# Altium PCB NC1-2B-BASIS.PcbDoc
Units mm, origin at the board's own origin, x right, y up, seen from the top; angles counter-clockwise.
Board outline 100 x 100 mm, 2 copper layers (Top Layer, Bottom Layer), stack 1.57 mm thick; 57 components, 37 nets, 170 pads, 365 vias.
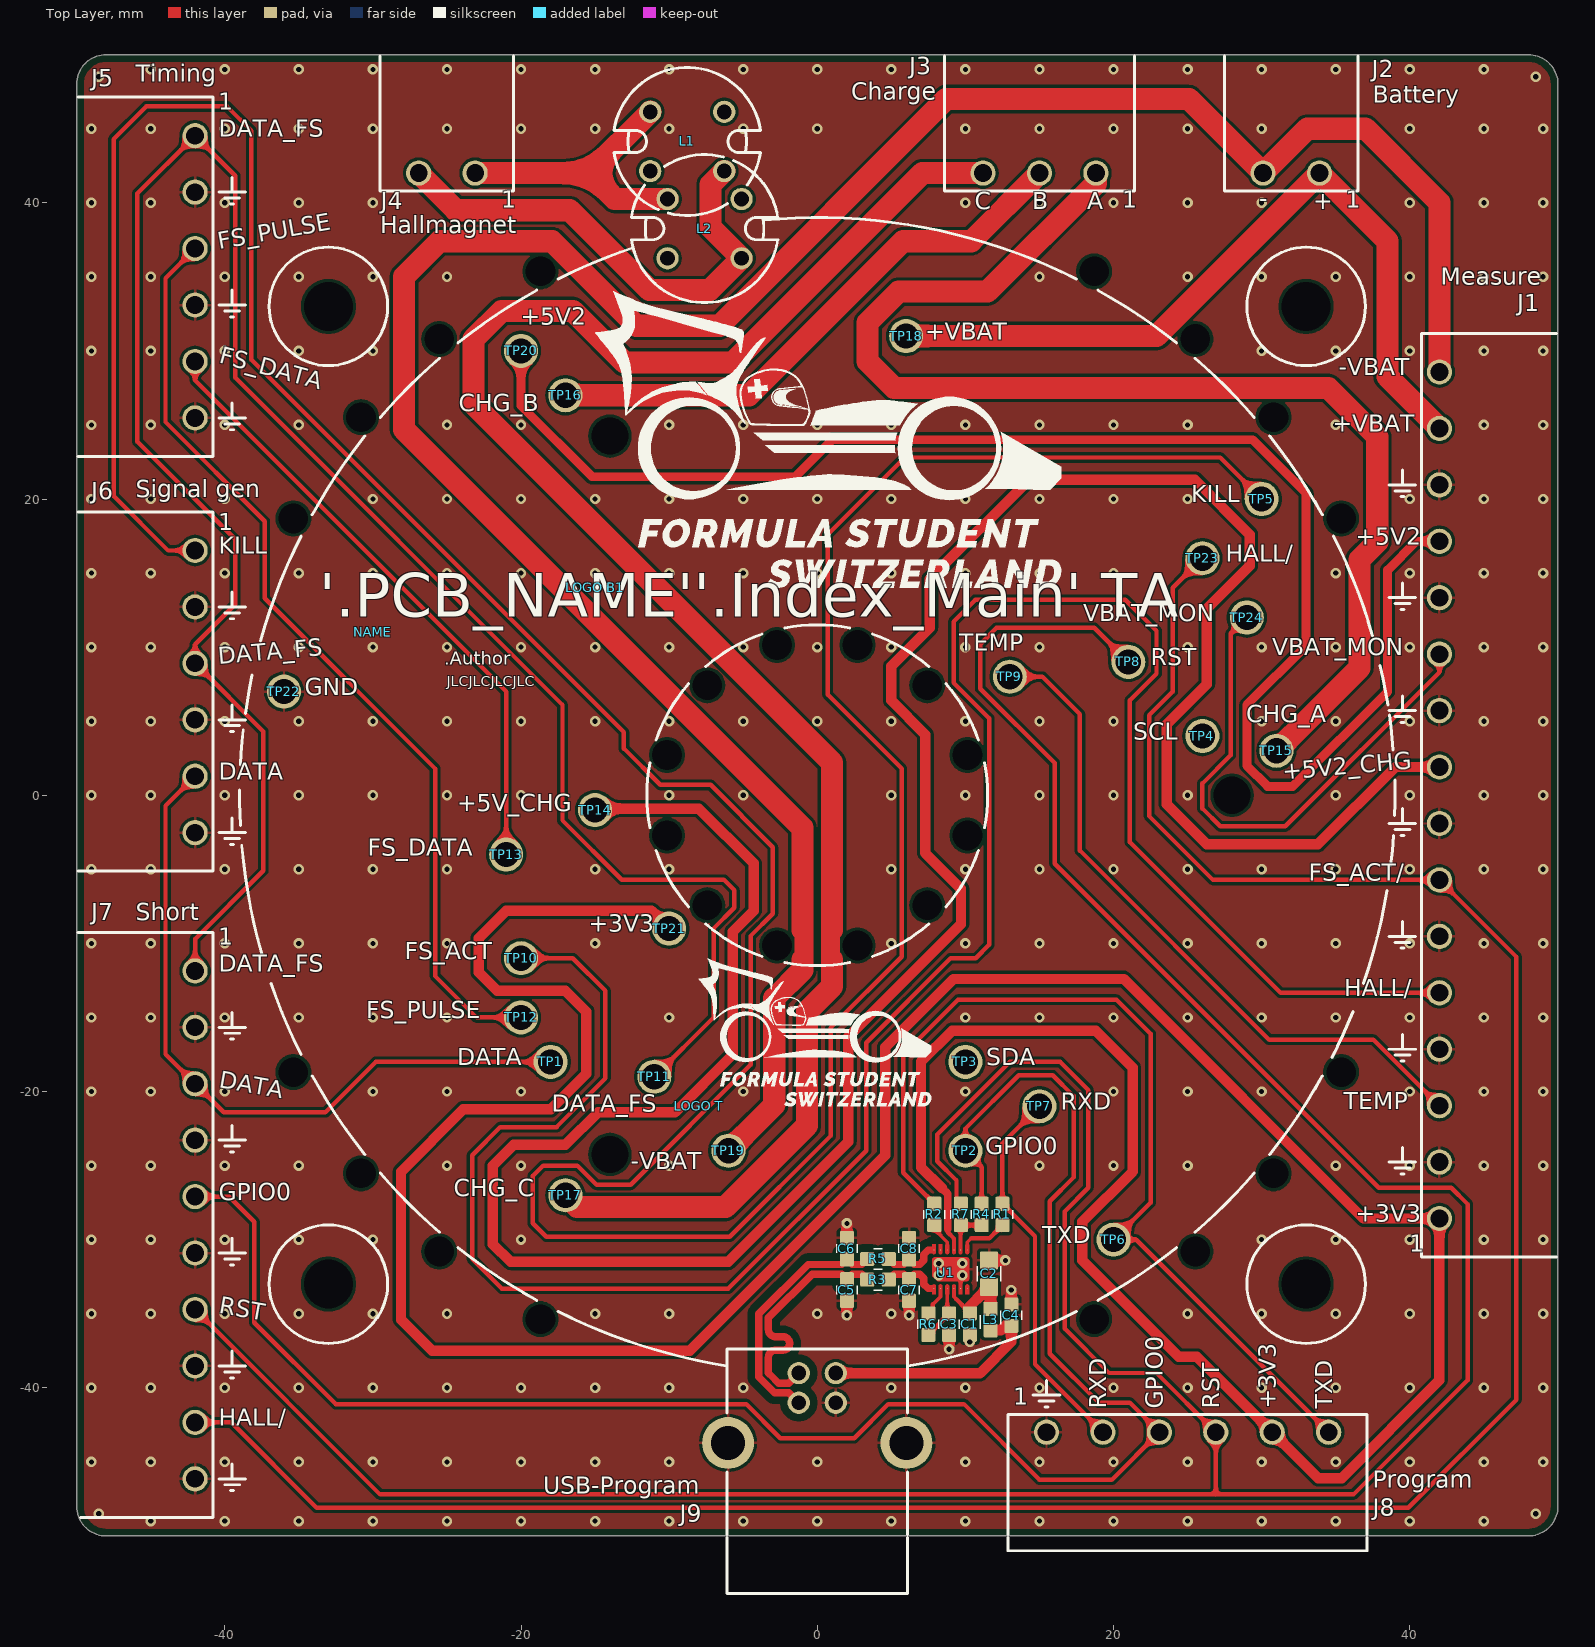
[diagram p0: Top Layer view]
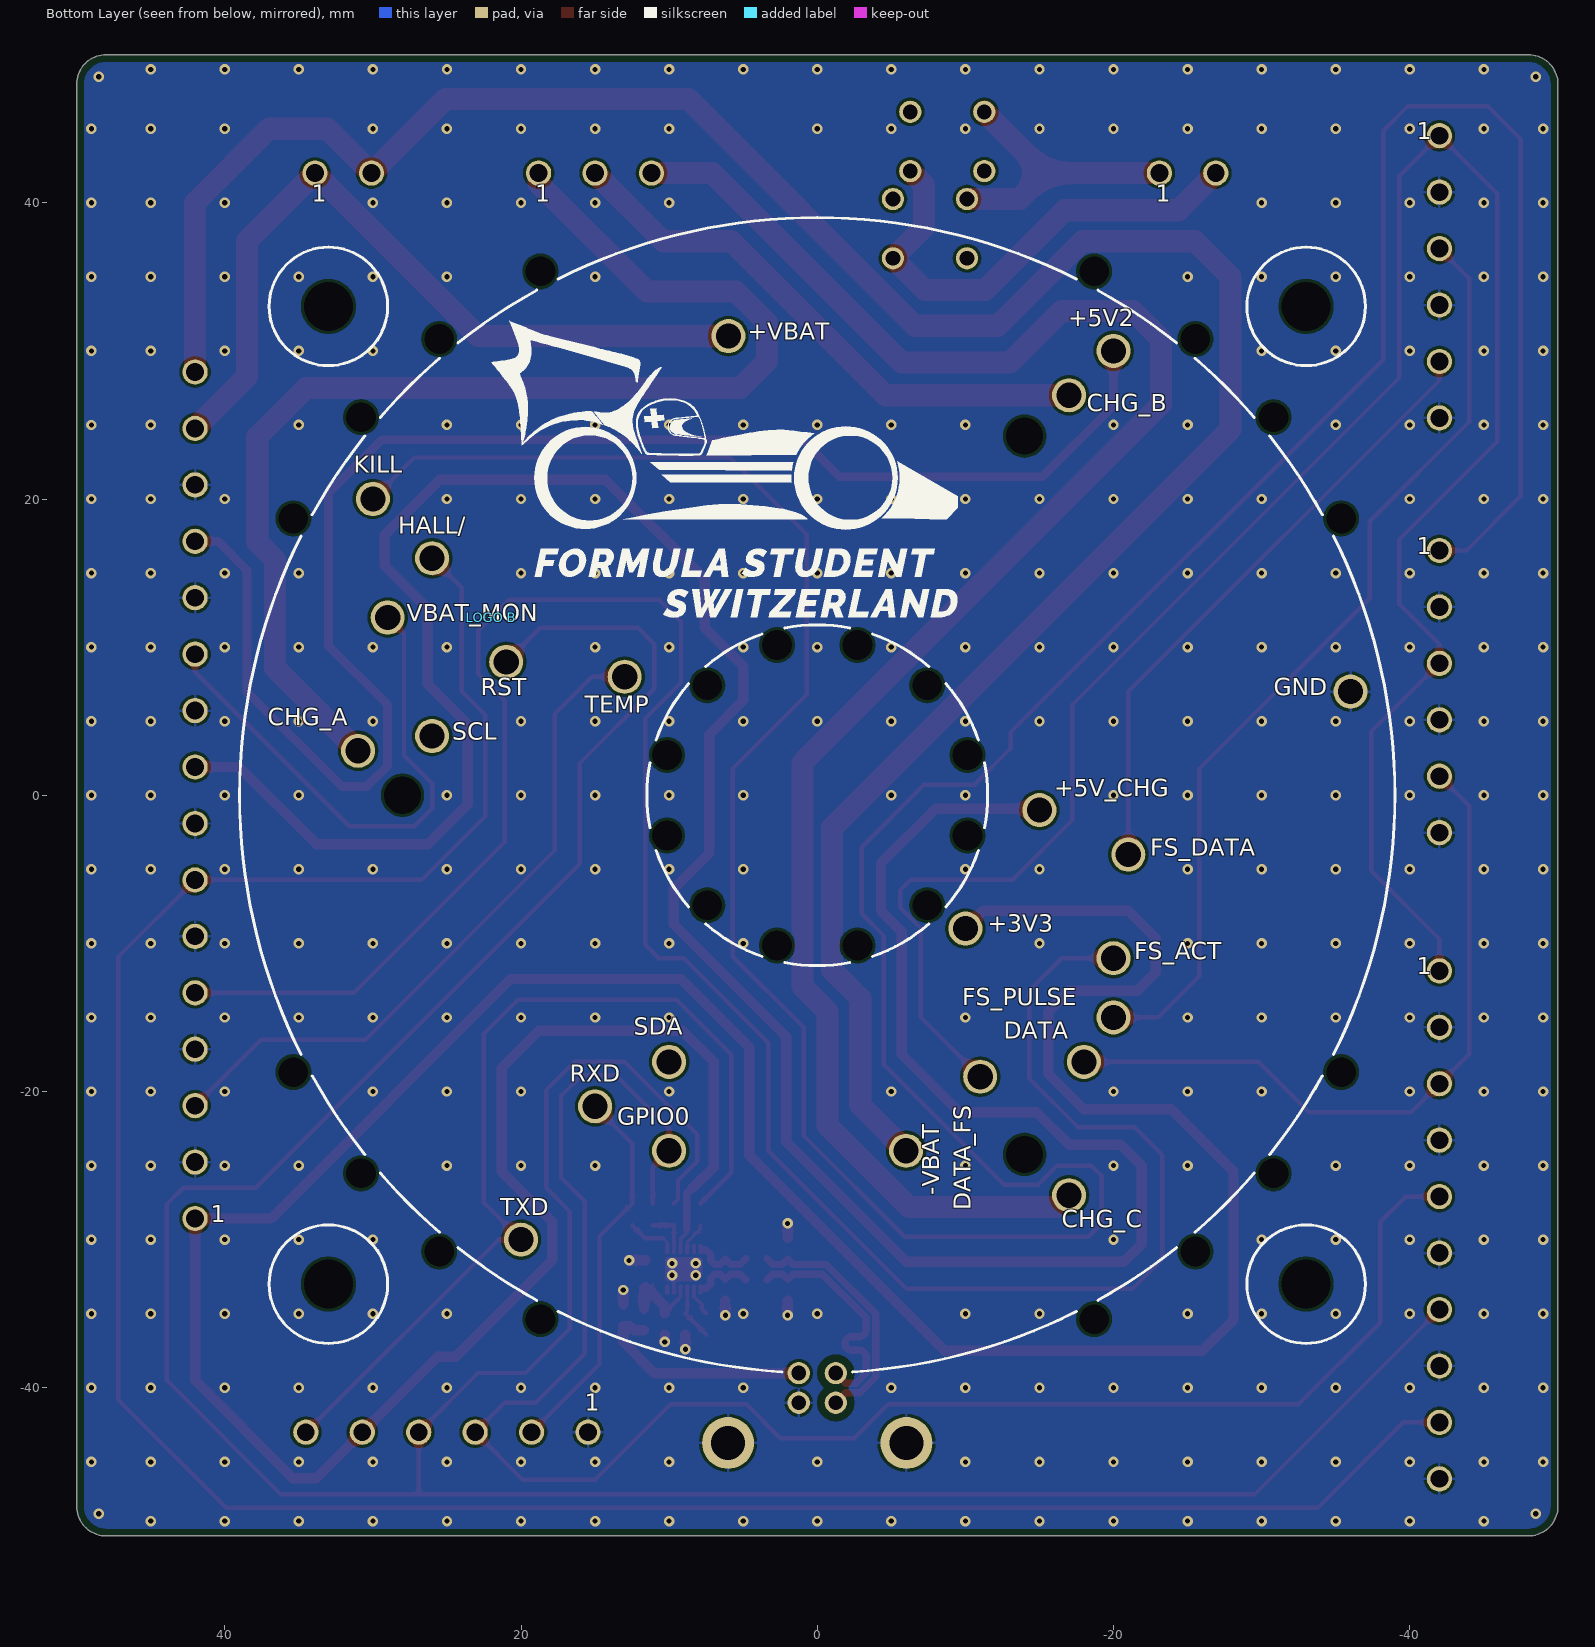
[diagram p1: Bottom Layer view, seen from below]

## Layer stack, top to bottom
Top Solder: solder mask 0.0102, Solder Resist, Dk 3.5
Top Layer: signal copper 0.035
Dielectric 1: dielectric 1.5, FR-4, Dk 4.8
Bottom Layer: signal copper 0.035
Bottom Solder: solder mask 0.0102, Solder Resist, Dk 3.5

## Board outline
-48,-50 cw(c-48,-48) -50,-48 -50,48 cw(c-48,48) -48,50 48,50 cw(c48,48) 50,48 50,-48 cw(c48,-48) 48,-50

## Design rules (kind name [scope] priority, off if disabled: settings)
BoardOutlineClearance [not (InComponent('MOUSE*'))] p1 off: gap=0.3 ignorepadtopadclearanceinfootprint=FALSE except(0: Arc-SplitContinuation Track-SplitContinuation SMDPad-SplitContinuation THPad-SplitContinuation Via-SplitContinuation Fill-SplitContinuation Poly-SplitContinuation Region-SplitContinuation Text-SplitContinuation)
Clearance Clearance_USB [InDifferentialPairClass('USB') vs not InDifferentialPairClass('USB')] p1: gap=0.5 ignorepadtopadclearanceinfootprint=FALSE except(0.15: Arc-Arc Arc-Track Arc-SMDPad Track-Track Track-SMDPad SMDPad-SMDPad; 0.2: Arc-THPad Arc-Via Arc-Text Arc-Hole Track-THPad Track-Via Track-Text Track-Hole SMDPad-THPad SMDPad-Via SMDPad-Text SMDPad-Hole THPad-THPad THPad-Via THPad-Text THPad-Hole Via-Via Via-Text Via-Hole Text-Text Text-Hole)
Clearance [All] p2: gap=0.2 ignorepadtopadclearanceinfootprint=FALSE except(0: Arc-Hole Track-Hole SMDPad-Hole THPad-Hole Via-Hole Fill-Hole Poly-Hole Region-Hole Text-Hole; 0.15: Arc-Arc Arc-Track Arc-SMDPad Arc-THPad Arc-Via Arc-Text Track-Track Track-SMDPad Track-THPad Track-Via Track-Text SMDPad-SMDPad SMDPad-THPad SMDPad-Via SMDPad-Text THPad-THPad THPad-Via THPad-Text Via-Via Via-Text Text-Text)
ComponentClearance ComponentClearance_ESP-01S [All] p1: gap=0.254 collisioncheckmode=3 verticalgap=0.254 showdistances=FALSE
ComponentClearance ComponentClearance_Enclosure [isfree] p2: gap=0 collisioncheckmode=3 verticalgap=0 showdistances=FALSE
ComponentClearance [All] p3: gap=0.25 collisioncheckmode=3 verticalgap=0.25 showdistances=FALSE
DiffPairsRouting [InDifferentialPair('D') or InDifferentialPair('USB_D')] p1: maxlimit=0.15 minlimit=0.15 mostfreqgap=0.15 toplayer_minwidth=0.5 toplayer_maxwidth=0.5 toplayer_prefwidth=0.5 bottomlayer_minwidth=0.5 bottomlayer_maxwidth=0.5 bottomlayer_prefwidth=0.5 impedanceprofiledriven=TRUE impedanceprofileid={0B2F72EE-70D5-4F8D-B648-94B946845256} impedanceprofilevalue=90.000000 maxuncoupledlength=12.7
Height [All] p1: minheight=0 maxheight=100 prefheight=12.7
HoleSize [All] p1: absolutevalues=TRUE maxlimit=27 minlimit=0.3 maxpercent=80.000 minpercent=20.000
HoleToHoleClearance [All] p1: gap=0.3 allowstackedmicrovias=TRUE
MatchedLengths "Schematic Matched Net Lengths_1" [InDifferentialPairClass('USB')] p1: tolerance=0.2 checknetsindiffpair=TRUE checkdiffpairvsdiffpair=FALSE checkxsignals=FALSE checkothers=FALSE
MinimumSolderMaskSliver [All] p1: minsoldermaskwidth=0.095
PolygonConnect [All] p1: thpad.connectstyle=Relief thpad.reliefconductorwidth=0.2 thpad.reliefentries=4 thpad.polygonreliefangle="90 Angle" thpad.airgapwidth=0.2 smdpad.connectstyle=Relief smdpad.reliefconductorwidth=0.2 smdpad.reliefentries=4 smdpad.polygonreliefangle="90 Angle" smdpad.airgapwidth=0.2 via.connectstyle=Direct via.reliefconductorwidth=0.254 via.reliefentries=4 via.polygonreliefangle="90 Angle" via.airgapwidth=0.254
RoutingVias [All] p1: holewidth=0.35 width=0.7 viastyle="Through Hole" minholewidth=0.35 minwidth=0.7 maxholewidth=5 maxwidth=6
SilkToSilkClearance [All] p1: silktosilkclearance=0.1
SilkToSolderMaskClearance [IsPad] p1: minsilkscreentomaskgap=0.1 clearancetoexposedcopper=TRUE
SolderMaskExpansion "SolderMaskExpansion Via" [IsVia] p1: expansion=0.1 istentingtop=TRUE
SolderMaskExpansion [All] p2: expansion=0.05 istentingtop=FALSE
UnRoutedNet [All] p1: checkbadconnections=TRUE
Width [All] p1: maxlimit=5 minlimit=0.15 preferedwidth=0.3 minimp=50.000000 maximp=50.000000 favimp=50.000000
21 further rules are at their usual default settings.

## Classes and differential pairs
differential pair class USB: D USB_D
component class NC1-1-TESTADAPTER-Top: C1 C2 C3 C4 C5 C6 C7 C8 J1 J2 J3 J4 J5 J6 J7 J8 J9 L1 L2 L3 R1 R2 R3 R4 R5 R6 R7 TP1 TP2 TP3 TP4 TP5 TP6 TP7 TP8 TP9 TP10 TP11 TP12 TP13 TP14 TP15 TP16 TP17 TP18 TP19 TP20 TP21 TP22 TP23 TP24 U1
differential pair USB_D: +USB_D_P -USB_D_N
differential pair D: +D_P -D_N

## Components (designator, comment, footprint, x,y, rotation, side; value= is the part's Value field where it differs from the comment)
C1 "100N/0603/50V/X7R" CAP0603_X7R 10.3,-35.7 r270 top value=100nF
C2 "4.7U/0805/16V/X7R" CAP0805_X7R 11.6,-32.3 r90 top value=4.7uF
C3 "100N/0603/50V/X7R" CAP0603_X7R 8.9,-35.7 r270 top value=100nF
C4 "10N/0603/50V/X7R" CAP0603_X7R 13.1,-35.1 r90 top value=10nF
C5 "10P/0603/50V/C0G" CAP0603_C0G 2,-33.4 r270 top value=10pF
C6 "10P/0603/50V/C0G" CAP0603_C0G 2,-30.6 r90 top value=10pF
C7 "10P/0603/50V/C0G" CAP0603_C0G 6.2,-33.4 r270 top value=10pF
C8 "10P/0603/50V/C0G" CAP0603_C0G 6.2,-30.6 r90 top value=10pF
J1 "MC1.5/16-G-3.81" MC1.5/16-G-3.81 42,0 r90 top
J2 "MC1.5/2-G-3.81" MC1.5/2-G-3.81 32,42 r180 top
J3 "MC1.5/3-G-3.81" MC1.5/3-G-3.81 15,42 r180 top
J4 "MC1.5/2-G-3.81" MC1.5/2-G-3.81 -25,42 r180 top
J5 "MC1.5/6-G-3.81" MC1.5/6-G-3.81 -42,35 r270 top
J6 "MC1.5/6-G-3.81" MC1.5/6-G-3.81 -42,7 r270 top
J7 "MC1.5/10-G-3.81" MC1.5/10-G-3.81 -42,-29 r270 top
J8 "MC1.5/6-G-3.81" MC1.5/6-G-3.81 25,-43 r0 top
J9 "USB-B-CUI" USB-B_CUI_UJ2-BH-TH 0,-54 r0 top
L1 "820UH/RCH-110" RCH-110-SINGLE -8.779,44.135 r90 top value=820UH
L2 "820UH/RCH-110" RCH-110-SINGLE -7.609,38.251 r90 top value=820UH
L3 "30R/0603/FERRITE" FB0603 11.7,-35.4 r90 top value=30R
"LOGO B" "Comment" FSCH-LOGO-20MM 22,12 r180 bottom
"LOGO B1" "Comment" FSCH-LOGO-20MM -15,14 r0 top
"LOGO T" "Comment" FSCH-LOGO-10MM -8,-21 r0 top
NAME "Comment" PCB-NAME -30,11 r0 top
R1 "0R/0603" R0603-0.40-WW 12.5,-28.3 r90 top value=0R
R2 "0R/0603" R0603-0.40-WW 7.9,-28.3 r90 top value=0R
R3 "27R/0603" R0603-0.40-WW 4.1,-32.7 r0 top value=27R
R4 "0R/0603" R0603-0.40-WW 11.1,-28.3 r90 top value=0R
R5 "27R/0603" R0603-0.40-WW 4.1,-31.3 r0 top value=27R
R6 "0R/0603" R0603-0.40-WW 7.5,-35.7 r90 top value=0R
R7 "0R/0603" R0603-0.40-WW 9.7,-28.3 r90 top value=0R
TP1 "SPRING-PROBE-SLEEVE-25" TP_SPRING_PROBE_S25-512 -18,-18 r0 top
TP2 "SPRING-PROBE-SLEEVE-25" TP_SPRING_PROBE_S25-512 10,-24 r0 top
TP3 "SPRING-PROBE-SLEEVE-25" TP_SPRING_PROBE_S25-512 10,-18 r0 top
TP4 "SPRING-PROBE-SLEEVE-25" TP_SPRING_PROBE_S25-512 26,4 r0 top
TP5 "SPRING-PROBE-SLEEVE-25" TP_SPRING_PROBE_S25-512 30,20 r0 top
TP6 "SPRING-PROBE-SLEEVE-25" TP_SPRING_PROBE_S25-512 20,-30 r0 top
TP7 "SPRING-PROBE-SLEEVE-25" TP_SPRING_PROBE_S25-512 15,-21 r0 top
TP8 "SPRING-PROBE-SLEEVE-25" TP_SPRING_PROBE_S25-512 21,9 r0 top
TP9 "SPRING-PROBE-SLEEVE-25" TP_SPRING_PROBE_S25-512 13,8 r0 top
TP10 "SPRING-PROBE-SLEEVE-25" TP_SPRING_PROBE_S25-512 -20,-11 r0 top
TP11 "SPRING-PROBE-SLEEVE-25" TP_SPRING_PROBE_S25-512 -11,-19 r0 top
TP12 "SPRING-PROBE-SLEEVE-25" TP_SPRING_PROBE_S25-512 -20,-15 r0 top
TP13 "SPRING-PROBE-SLEEVE-25" TP_SPRING_PROBE_S25-512 -21,-4 r0 top
TP14 "SPRING-PROBE-SLEEVE-25" TP_SPRING_PROBE_S25-512 -15,-1 r0 top
TP15 "SPRING-PROBE-SLEEVE-25" TP_SPRING_PROBE_S25-512 31,3 r0 top
TP16 "SPRING-PROBE-SLEEVE-25" TP_SPRING_PROBE_S25-512 -17,27 r0 top
TP17 "SPRING-PROBE-SLEEVE-25" TP_SPRING_PROBE_S25-512 -17,-27 r0 top
TP18 "SPRING-PROBE-SLEEVE-25" TP_SPRING_PROBE_S25-512 6,31 r0 top
TP19 "SPRING-PROBE-SLEEVE-25" TP_SPRING_PROBE_S25-512 -6,-24 r0 top
TP20 "SPRING-PROBE-SLEEVE-25" TP_SPRING_PROBE_S25-512 -20,30 r0 top
TP21 "SPRING-PROBE-SLEEVE-25" TP_SPRING_PROBE_S25-512 -10,-9 r0 top
TP22 "SPRING-PROBE-SLEEVE-25" TP_SPRING_PROBE_S25-512 -36,7 r0 top
TP23 "SPRING-PROBE-SLEEVE-25" TP_SPRING_PROBE_S25-512 26,16 r0 top
TP24 "SPRING-PROBE-SLEEVE-25" TP_SPRING_PROBE_S25-512 29,12 r0 top
U1 "FT234XD" DFN045P300X300X080-12-EP160X250 9,-32 r90 top
? "Comment" JLC-ORDER -21,9 r0 top

## Footprints (in the part's own frame and the unit in brackets; to place one, negate y for a bottom-side part, rotate by r counter-clockwise, add the part's x,y. Pads: shape width x height; smd on the part's side, far side on the other; paste and mask are expansions set on the pad)
CAP0603_C0G [mm]
  rrect20% 0.95x0.95 smd: 1(-0.725,0) 2(0.725,0)
  silkscreen extent -0.3,-0.7 0.3,0.7, body extent -0.8,-0.41 0.8,0.41, height 0.57
CAP0603_X7R [mm]
  rrect20% 0.95x0.95 smd: 1(-0.725,0) 2(0.725,0)
  silkscreen extent -0.3,-0.7 0.3,0.7, body extent -0.8,-0.41 0.8,0.41, height 0.57
CAP0805_X7R [mm] "Chip Capacitor 0805mil / 2012mm"
  rrect10% 1.2x1.2 smd: 1(-0.9,0) 2(0.9,0)
  silkscreen extent -0.5,-0.8 0.5,0.8, body extent -1,-0.51 1,0.51, height 0.72
DFN045P300X300X080-12-EP160X250 [mm]
  round 0.4 on Top Overlay: 1(-1.75,1.75)
  round 0.025 smd: 1(-1.3,1.125) 2(-1.3,0.675) 3(-1.3,0.225) 4(-1.3,-0.225) 5(-1.3,-0.675) 6(-1.3,-1.125) 7(1.3,-1.125) 8(1.3,-0.675) 9(1.3,-0.225) 10(1.3,0.225) 11(1.3,0.675) 12(1.3,1.125) EP(0,0)
  Top Layer region: 1.7,-1.05 1.7,-1.199 1.696,-1.218 1.685,-1.235 1.668,-1.246 1.649,-1.25 1.649,-1.25 1.15,-1.25 1.102,-1.24 1.061,-1.213 1.034,-1.172 1.024,-1.124 1.024,-1.124 1.034,-1.076 1.061,-1.035 1.102,-1.008 1.15,-0.999 1.15,-0.999 1.649,-0.999 1.668,-1.003 1.685,-1.014 1.696,-1.03 1.7,-1.05
  Top Layer region: 1.7,-0.6 1.7,-0.749 1.696,-0.768 1.685,-0.785 1.668,-0.796 1.649,-0.8 1.649,-0.8 1.15,-0.8 1.102,-0.79 1.061,-0.763 1.034,-0.722 1.024,-0.674 1.024,-0.674 1.034,-0.626 1.061,-0.585 1.102,-0.558 1.15,-0.549 1.15,-0.549 1.649,-0.549 1.668,-0.553 1.685,-0.564 1.696,-0.58 1.7,-0.6
  Top Layer region: 1.7,-0.15 1.7,-0.299 1.696,-0.318 1.685,-0.335 1.668,-0.346 1.649,-0.35 1.649,-0.35 1.15,-0.35 1.102,-0.34 1.061,-0.313 1.034,-0.272 1.024,-0.224 1.024,-0.224 1.034,-0.176 1.061,-0.135 1.102,-0.108 1.15,-0.099 1.15,-0.099 1.649,-0.099 1.668,-0.103 1.685,-0.114 1.696,-0.13 1.7,-0.15
  Top Layer region: 1.7,0.3 1.7,0.151 1.696,0.132 1.685,0.115 1.668,0.104 1.649,0.1 1.649,0.1 1.15,0.1 1.102,0.11 1.061,0.137 1.034,0.178 1.024,0.226 1.024,0.226 1.034,0.274 1.061,0.315 1.102,0.342 1.15,0.351 1.15,0.351 1.649,0.351 1.668,0.347 1.685,0.336 1.696,0.32 1.7,0.3
  Top Layer region: 1.7,0.75 1.7,0.601 1.696,0.582 1.685,0.565 1.668,0.554 1.649,0.55 1.649,0.55 1.15,0.55 1.102,0.56 1.061,0.587 1.034,0.628 1.024,0.676 1.024,0.676 1.034,0.724 1.061,0.765 1.102,0.792 1.15,0.801 1.15,0.801 1.649,0.801 1.668,0.797 1.685,0.786 1.696,0.77 1.7,0.75
  Top Layer region: 1.7,1.2 1.7,1.051 1.696,1.032 1.685,1.015 1.668,1.004 1.649,1 1.649,1 1.15,1 1.102,1.01 1.061,1.037 1.034,1.078 1.024,1.126 1.024,1.126 1.034,1.174 1.061,1.215 1.102,1.242 1.15,1.251 1.15,1.251 1.649,1.251 1.668,1.247 1.685,1.236 1.696,1.22 1.7,1.2
  Top Layer region: -1.7,-1.2 -1.7,-1.051 -1.696,-1.032 -1.685,-1.015 -1.668,-1.004 -1.649,-1 -1.649,-1 -1.15,-1 -1.102,-1.01 -1.061,-1.037 -1.034,-1.078 -1.024,-1.126 -1.024,-1.126 -1.034,-1.174 -1.061,-1.215 -1.102,-1.242 -1.15,-1.251 -1.15,-1.251 -1.649,-1.251 -1.668,-1.247 -1.685,-1.236 -1.696,-1.22 -1.7,-1.2
  Top Layer region: -1.7,-0.75 -1.7,-0.601 -1.696,-0.582 -1.685,-0.565 -1.668,-0.554 -1.649,-0.55 -1.649,-0.55 -1.15,-0.55 -1.102,-0.56 -1.061,-0.587 -1.034,-0.628 -1.024,-0.676 -1.024,-0.676 -1.034,-0.724 -1.061,-0.765 -1.102,-0.792 -1.15,-0.801 -1.15,-0.801 -1.649,-0.801 -1.668,-0.797 -1.685,-0.786 -1.696,-0.77 -1.7,-0.75
  Top Layer region: -1.7,-0.3 -1.7,-0.151 -1.696,-0.132 -1.685,-0.115 -1.668,-0.104 -1.649,-0.1 -1.649,-0.1 -1.15,-0.1 -1.102,-0.11 -1.061,-0.137 -1.034,-0.178 -1.024,-0.226 -1.024,-0.226 -1.034,-0.274 -1.061,-0.315 -1.102,-0.342 -1.15,-0.351 -1.15,-0.351 -1.649,-0.351 -1.668,-0.347 -1.685,-0.336 -1.696,-0.32 -1.7,-0.3
  Top Layer region: -1.7,0.15 -1.7,0.299 -1.696,0.318 -1.685,0.335 -1.668,0.346 -1.649,0.35 -1.649,0.35 -1.15,0.35 -1.102,0.34 -1.061,0.313 -1.034,0.272 -1.024,0.224 -1.024,0.224 -1.034,0.176 -1.061,0.135 -1.102,0.108 -1.15,0.099 -1.15,0.099 -1.649,0.099 -1.668,0.103 -1.685,0.114 -1.696,0.13 -1.7,0.15
  Top Layer region: -1.7,1.05 -1.7,1.199 -1.696,1.218 -1.685,1.235 -1.668,1.246 -1.649,1.25 -1.649,1.25 -1.15,1.25 -1.102,1.24 -1.061,1.213 -1.034,1.172 -1.024,1.124 -1.024,1.124 -1.034,1.076 -1.061,1.035 -1.102,1.008 -1.15,0.999 -1.15,0.999 -1.649,0.999 -1.668,1.003 -1.685,1.014 -1.696,1.03 -1.7,1.05
  Top Layer region: -0.8,0 -0.8,-1.09 -0.788,-1.151 -0.753,-1.203 -0.701,-1.238 -0.64,-1.25 -0.64,-1.25 0.64,-1.25 0.701,-1.238 0.753,-1.203 0.788,-1.151 0.8,-1.09 0.8,-1.09 0.8,1.09 0.788,1.151 0.753,1.203 0.701,1.238 0.64,1.25 0.64,1.25 0,1.25 -0.379,1.25 -0.445,1.237 -0.5,1.2 -0.5,1.2 -0.75,0.95 -0.787,0.895 -0.8,0.829 -0.8,0.829 -0.8,0.5
  Top Layer region: -1.7,0.6 -1.7,0.749 -1.696,0.768 -1.685,0.785 -1.668,0.796 -1.649,0.8 -1.649,0.8 -1.15,0.8 -1.102,0.79 -1.061,0.763 -1.034,0.722 -1.024,0.674 -1.024,0.674 -1.034,0.626 -1.061,0.585 -1.102,0.558 -1.15,0.549 -1.15,0.549 -1.649,0.549 -1.668,0.553 -1.685,0.564 -1.696,0.58 -1.7,0.6
  body extent -1.51,-1.5 1.51,1.5, height 0.81
FB0603 [mm]
  rrect20% 0.95x0.95 smd: 1(-0.725,0) 2(0.725,0)
  silkscreen extent -0.3,-0.7 0.3,0.7, body extent -0.8,-0.4 0.8,0.4, height 1
FSCH-LOGO-10MM [mm]
  silkscreen extent 0,0 15.7,9.99, body extent 0,0 15.7,9.99, height 0.01
FSCH-LOGO-20MM [mm]
  silkscreen extent 0,0 31.48,20.02, body extent 0,0 31.48,20.02, height 0.01
JLC-ORDER [mm] "Placement of JLCPCB order number"
MC1.5/2-G-3.81 [mm] "Phoenix contact MC 1,5/ 2-G-3,81"
  round 1.7 hole 1.2: 1(-1.905,0) 2(1.905,0)
  silkscreen extent -4.5,-7.9 4.5,1.2, body extent -4.5,-8 4.5,1.2, height 7.26
MC1.5/3-G-3.81 [mm] "Phoenix contact MC 1,5/ 3-G-3,81"
  round 1.7 hole 1.2: 1(-3.81,0) 2(0,0) 3(3.81,0)
  silkscreen extent -6.41,-7.9 6.41,1.2, body extent -6.41,-8 6.41,1.2, height 7.26
MC1.5/6-G-3.81 [mm] "Phoenix contact MC 1,5/ 6-G-3,81"
  round 1.7 hole 1.2: 1(-9.525,0) 2(-5.715,0) 3(-1.905,0) 4(1.905,0) 5(5.715,0) 6(9.525,0)
  silkscreen extent -12.12,-7.9 12.12,1.2, body extent -12.12,-8 12.12,1.2, height 7.26
MC1.5/10-G-3.81 [mm] "Phoenix contact MC 1,5/ 10-G-3,81"
  round 1.7 hole 1.2: 1(-17.145,0) 2(-13.335,0) 3(-9.525,0) 4(-5.715,0) 5(-1.905,0) 6(1.905,0) 7(5.715,0) 8(9.525,0) 9(13.335,0) 10(17.145,0)